# Altium PCB Archimbu.PcbDoc (part 4 of 5) (continued)
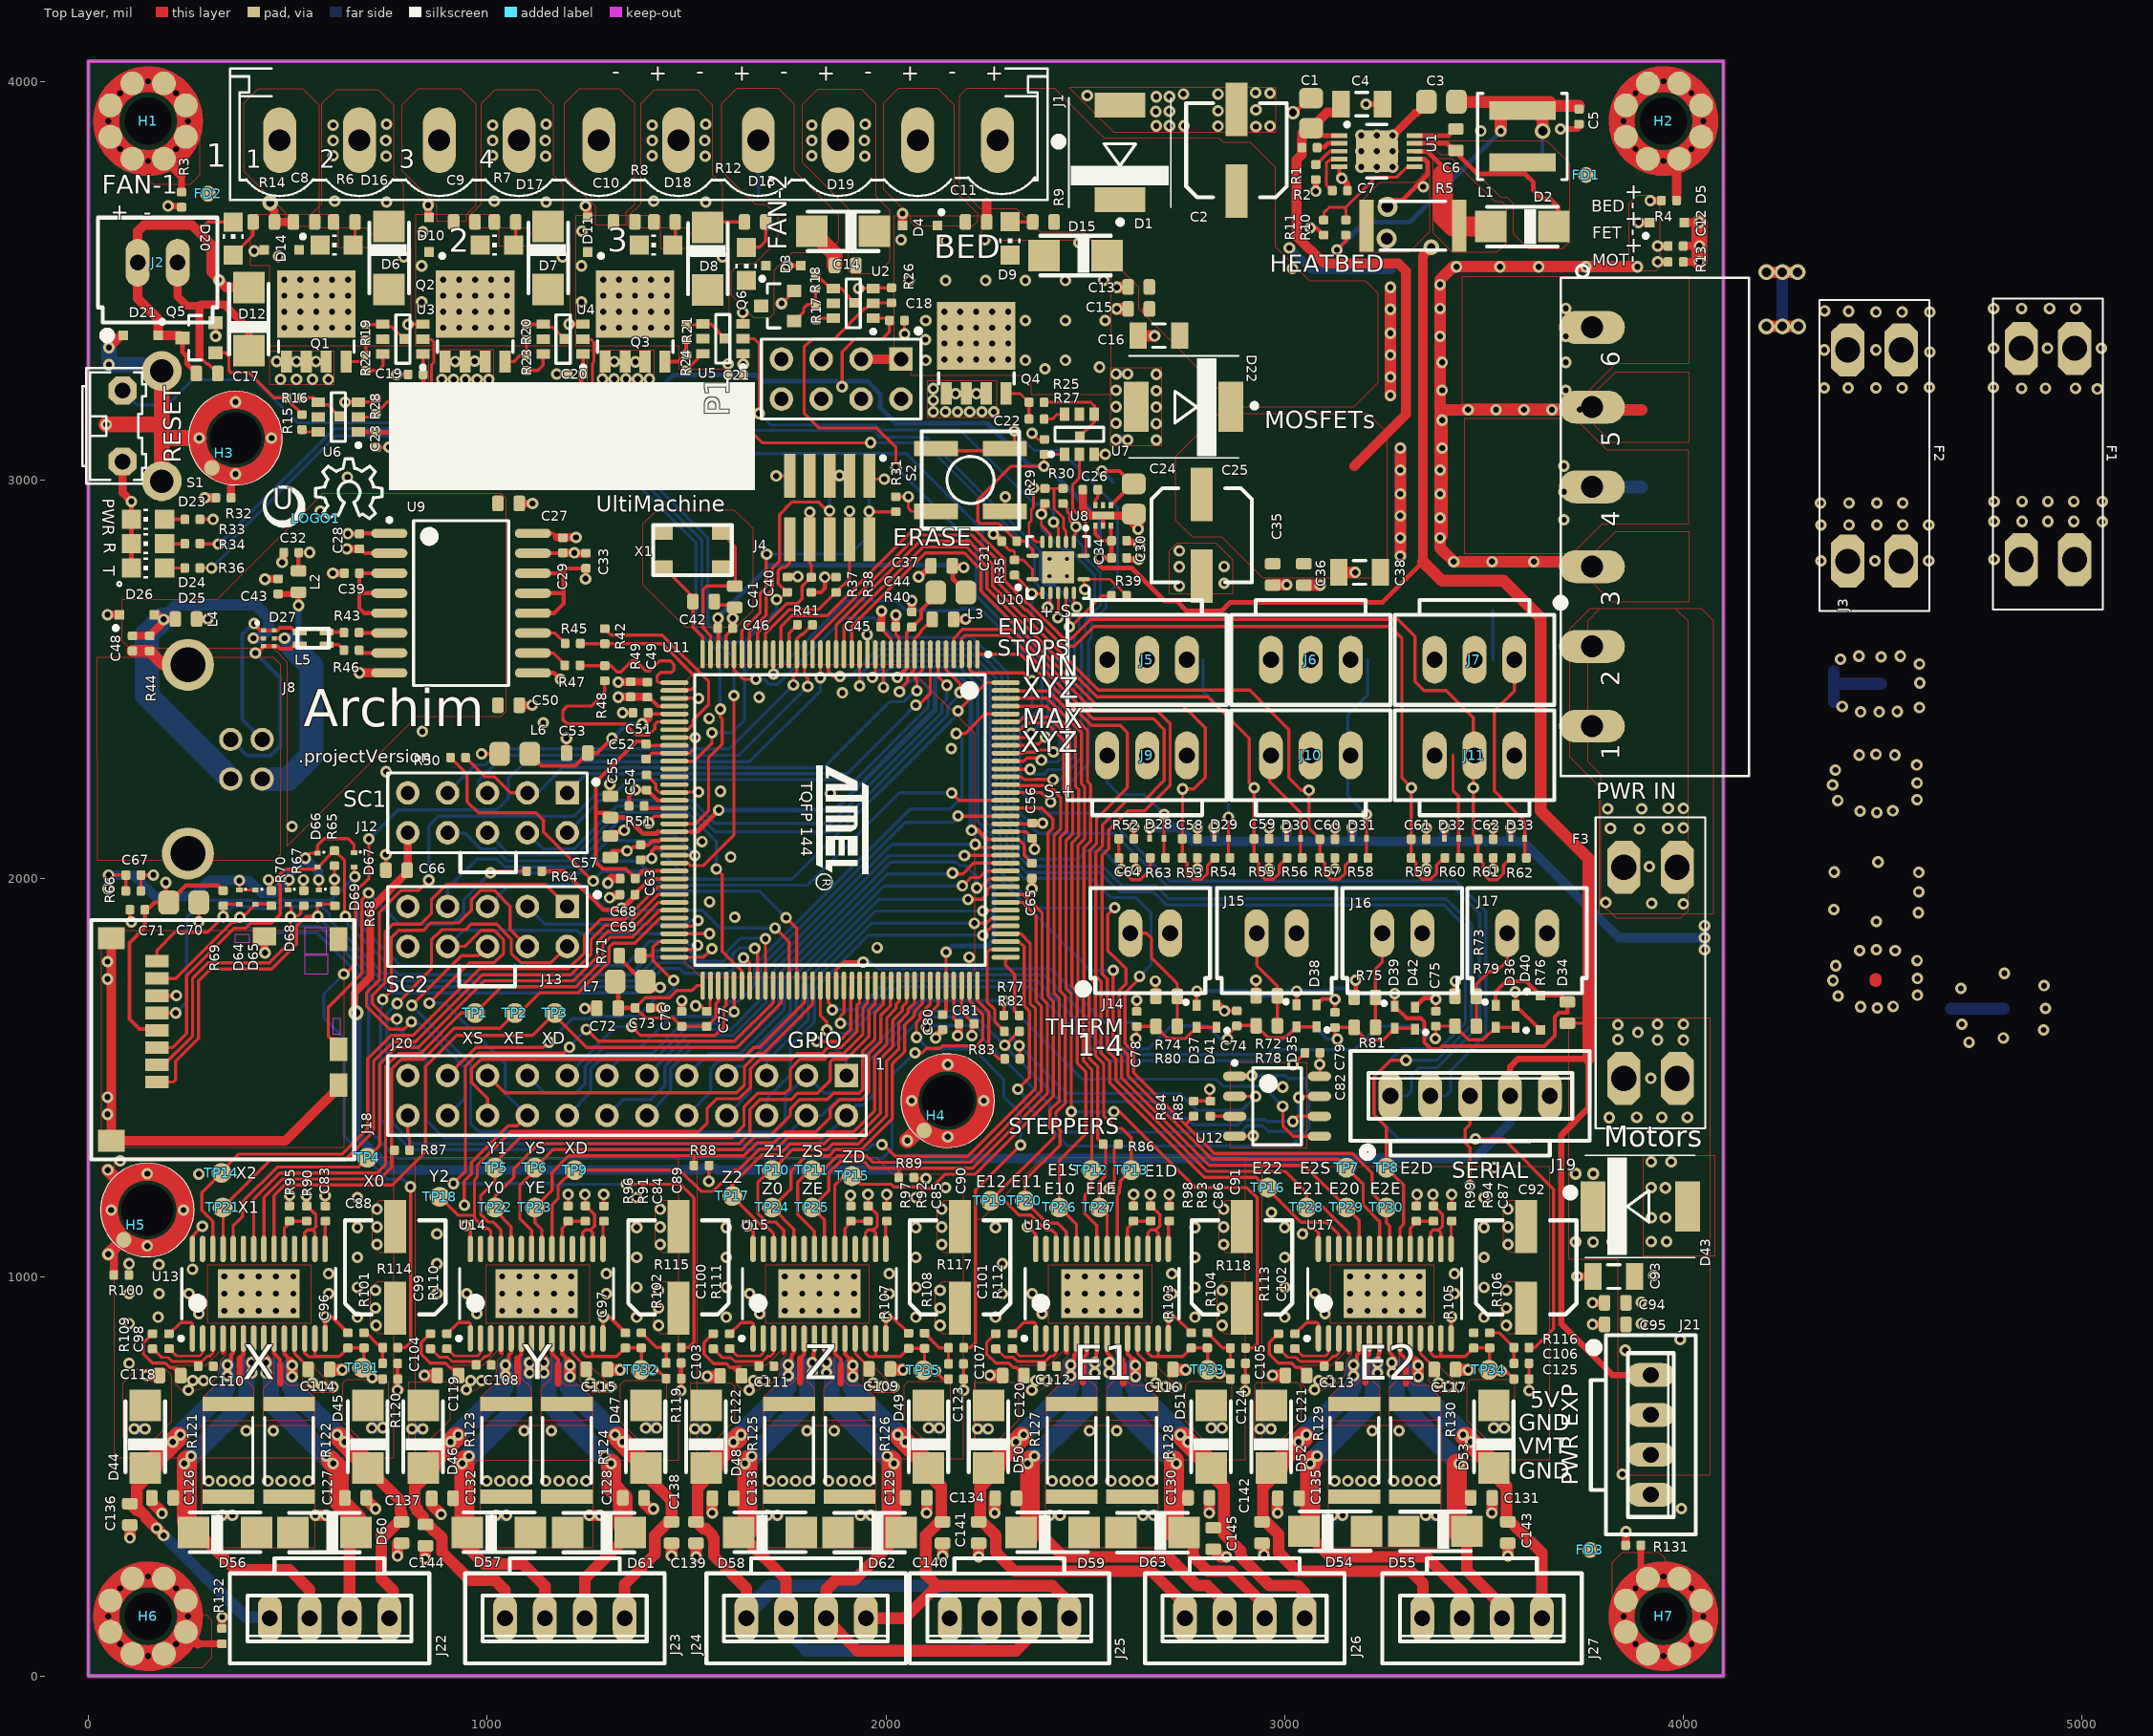
[diagram p0: Top Layer view]
## Nets (pads, with @x,y where several pads share a name; then routed paths per layer and width w, separated by ;. In a path a pad name is that pad's centre, name@x,y a point inside that pad or via, vN(x,y) a via of type N, cw(c..) or ccw(c..) an arc to the next point about the centre after c; other vN are vias at no path point) (continued)
NetR15_1: R15.1 U6.6 | length 43.4
  Top Layer w8: R15.1@536,3126.1 541.63,3120.47 U6.6@577.08,3120.47
NetR16_1: pad.0@629.87,3159.08 R16.1 U6.4 | length 115.2
  Top Layer w8: R16.1@534.9,3206 566.35,3206 U6.4@577.08,3195.28 584.35,3188 602.01,3188 614.68,3175.33 614.68,3173.61 pad.0@629.87,3159.08
NetR17_1: R17.1 U2.6 | length 44.7
  Top Layer w8: R17.1@1825,3401.1 1829.5,3405.6 U2.6@1867.8,3405.6
NetR18_1: pad.0@1920,3444 R18.1 U2.4 | length 127.9
  Top Layer w8: R18.1@1824,3516.9 1860.5,3480.4 U2.4@1867.8,3480.4 1887.54,3480.4 1907.48,3460.46 1907.48,3458.73 pad.0@1920,3444
NetR19_1: pad.0@792.87,3353.76 R19.1 U3.4 | length 113.3
  Top Layer w8: R19.1@695.47,3389.96 U3.4@737.99,3389.96 ; U3.4@738.78,3390.75 U3.4@737.99,3389.96 ; pad.0@792.87,3353.76 777.67,3368.29 761.96,3384 743.95,3384 U3.4@737.99,3389.96
NetR20_1: pad.0@1194.44,3353.76 R20.1 U4.4 | length 111.3
  Top Layer w8: U4.4@1139.57,3389.96 1146.53,3383 1164.54,3383 1179.25,3368.29 pad.0@1194.44,3353.76
  Top Layer w10: R20.1@1099.02,3389.96 1139.57,3389.96 U4.4@1140.35,3390.75
NetR21_1: pad.0@1595.87,3355.2 R21.1 U5.4 | length 114.1
  Top Layer w8: R21.1@1499,3389.9 1499.9,3389 U5.4@1538.6,3389 ; U5.4@1541,3391.4 1560.73,3391.4 1580.68,3371.46 1580.68,3369.73 pad.0@1595.87,3355.2
  Top Layer w10: U5.4@1538.6,3389 U5.4@1541,3391.4
NetR22_1: R22.1 U3.6 | length 76.8
  Top Layer w8: R22.1@696.46,3274.41 726.77,3274.41 738.78,3286.42 U3.6@738.78,3315.94
NetR23_1: R23.1 U4.6 | length 75.3
  Top Layer w8: R23.1@1099.02,3274.41 1127.36,3274.41 1140.35,3287.4 U4.6@1140.35,3315.94
NetR24_1: R24.1 U5.6 | length 57.8
  Top Layer w8: R24.1@1500,3276.1 1540.5,3316.6 U5.6@1541,3316.6
NetR25_1: pad.0@2486.44,3109.5 R25.1 U7.4 | length 221.5
  Top Layer w7: R25.1@2396.85,3194.56 2513.85,3194.56 2522.64,3185.77
  Top Layer w8: pad.0@2486.44,3109.5 2500.97,3124.69 2502.69,3124.69 2522.64,3144.64 U7.4@2522.64,3164.37 2522.64,3185.77
NetR27_1: R27.1 U7.6 | length 55.9
  Top Layer w7: R27.1@2396.85,3152.56 2417.32,3152.56 2429.13,3164.37 U7.6@2447.84,3164.37
NetR42_1: R42.1 U11.43 | length 491.4
  Top Layer w8: R42.1@1295,2626.9 1310.9,2611 1438.53,2611 1555.5,2494.03 1555.5,2437.5 1516.08,2398.08 1516.08,2386.16 1503.4,2373.48 U11.43@1469.65,2373.48
NetR48_1: R48.1 U11.42 | length 492.5
  Top Layer w8: R48.1@1295,2496.1 1295,2465 1263,2433 1201,2433 1190,2422 1190,2399 1201,2388 1346,2388 1373.5,2360.5 1405.56,2360.5 1420.5,2375.44 1420.5,2386.5 1427.17,2393.17 U11.42@1469.65,2393.17
NetR51_1: R51.1 U11.53 | length 75.7
  Top Layer w10: R51.1@1393.9,2176.63 U11.53@1469.65,2176.63
NetR77_2: R77.2 U11.109 | length 144
  Top Layer w8: U11.109@2300.35,1802.61 2300.35,1782.65 2323,1760 2323,1668
NetR82_2: R82.2 U11.110 | length 265.3
  Top Layer w8: R82.2@2297,1617 2273,1641 2273,1672.06 2253.92,1691.14 2253.92,1814.92 2261.3,1822.3 U11.110@2300.35,1822.3
NetR83_2: R83.2 U11.108 | length 220.5
  Top Layer w8: U11.108@2229.49,1731.75 2229.49,1694.36 2258,1665.84 2258,1573.64 2283.64,1548 R83.2@2298,1548
NetR121_2: R121.2 U13.6 | length 114.8
  Top Layer w10: 379.14,797 389.06,806.92 U13.6@389.06,846.8
  Top Layer w16: 379.14,736.05 379.14,797
NetR122_2: R122.2 U13.9 | length 120.1
  Top Layer w10: U13.9@465.83,846.8 465.83,809.21 481.07,793.98 481.07,781
  Top Layer w16: 481.07,733.05 481.07,781
NetR123_2: R123.2 U14.6 | length 114.8
  Top Layer w10: 1076,797 1085.92,806.92 U14.6@1085.92,846.8
  Top Layer w16: 1076,736.05 1076,797
NetR124_2: R124.2 U14.9 | length 120.1
  Top Layer w10: U14.9@1162.69,846.8 1162.69,809.21 1177.92,793.98 1177.92,781
  Top Layer w16: 1177.92,733.05 1177.92,781
NetR125_2: R125.2 U15.6 | length 114.8
  Top Layer w10: 1785.12,797 1795.03,806.92 U15.6@1795.03,846.8
  Top Layer w16: 1785.12,736.05 1785.12,797
NetR126_2: R126.2 U15.9 | length 120.1
  Top Layer w10: U15.9@1871.81,846.8 1871.81,809.21 1887.04,793.98 1887.04,781
  Top Layer w16: 1887.04,733.05 1887.04,781
NetR127_2: R127.2 U16.6 | length 114.8
  Top Layer w10: 2493.72,797 2503.63,806.92 U16.6@2503.63,846.8
  Top Layer w16: 2493.72,736.05 2493.72,797
NetR128_2: R128.2 U16.9 | length 120.1
  Top Layer w10: U16.9@2580.4,846.8 2580.4,809.21 2595.64,793.98 2595.64,781
  Top Layer w16: 2595.64,733.05 2595.64,781
NetR129_2: R129.2 U17.6 | length 114.8
  Top Layer w10: 3202.58,797 3212.49,806.92 U17.6@3212.49,846.8
  Top Layer w16: 3202.58,736.05 3202.58,797
NetR130_2: R130.2 U17.9 | length 120.1
  Top Layer w10: U17.9@3289.26,846.8 3289.26,809.21 3304.5,793.98 3304.5,781
  Top Layer w16: 3304.5,733.05 3304.5,781
NetU3_2: U3.2 U10.3 | length 2020.8
  Top Layer w7: U3.2@839.17,3357.28 844.09,3352.36 859.84,3352.36 866.41,3345.8 866.41,3294.41 860.97,3288.97 860.97,3242.28 911.25,3192 1591,3192 1689.5,3093.5 v1(1961.61,3093.5) ; v1(2405.63,2680.25) 2403.67,2680.25 2412.4,2688.98 U10.3@2412.4,2716.54
  Bottom Layer w7: v1(1961.61,3093.5) v1@1966.67,3093.5 ; v1@1963.1,3093 2095.86,3093 2373.03,2815.83 2373.03,2743.93 2405.63,2711.34 v1(2405.63,2680.25)
NetU4_2: U4.2 U10.6 | length 1663
  Top Layer w7: U4.2@1240.75,3353.35 1241.73,3352.36 1260.43,3352.36 1267.98,3344.81 1267.98,3295.93 1263.98,3291.93 1263.98,3240.87 1285.85,3219 v1(1471,3219) ; U10.6@2471.46,2716.54 2471.46,2687.99 v1(2478.35,2681.1)
  Bottom Layer w7: v1(1471,3219) 1565.98,3124.02 1968.5,3124.02 1985.52,3107 2101.66,3107 2387.43,2821.23 2387.43,2749.33 2400.91,2735.86 2423.59,2735.86 v1(2478.35,2681.1)
NetU5_2: U5.2 U10.11 | length 1144.4
  Top Layer w7: U5.2@1641.39,3354 1670,3354 1682,3342 v2(1682,3167) ; v1(2420.39,2893.84) 2420.28,2893.96 2418.31,2893.96 2423.23,2889.04 2432.09,2880.18 U10.11@2432.09,2844.49
  Bottom Layer w7: v2(1682,3167) 1710.98,3138.02 1974.3,3138.02 1987.32,3125 2187.01,3125 2372.5,2939.51 2400.24,2939.51 2420.39,2919.35 v1(2420.39,2893.84)
NetU7_2: U7.2 U10.8 | length 276.4
  Top Layer w7: U7.2@2485.24,3063.98 2485.24,3004.85 2468.9,2988.51 2468.9,2925.71 2501.38,2893.23 2501.38,2815.35 U10.8@2496.06,2810.04
NRST: J13.8 J19.3 J20.18 U11.69 | length 2152.1
  Top Layer w8: v1(855,1688) 956,1789 1015.53,1789 1016,1789.47 1017.79,1789.47 1041.53,1813.21 1041.53,1846.79 1017.79,1870.53 984.21,1870.53 943.69,1830 J13.8@901,1830 ; v1(942.96,1181.16) 942.96,1241.64 960.47,1259.16 960.47,1287.6 1053.35,1380.47 1075.47,1380.47 J20.18@1101,1406 ; U11.69@1469.65,1861.67 1556.33,1861.67 1557,1861 v1(1558,1862) ; v1(3464.57,1230.32) 3464.57,1325.16 3452.85,1336.88 3452.85,1372.14 3465,1384.29 J19.3@3465,1455
  Bottom Layer w8: v1(855,1688) 894,1688 1046,1536 1046,1461 J20.18@1101,1406 J20.18@1103,1406 ; J13.8@901,1830 941.53,1870.53 1224.94,1870.53 1233.47,1862 v1(1558,1862)
PA0_CANTX0: J12.5 U11.23 | length 1048.4
  Top Layer w8: U11.23@1796.42,2562.46 1796.42,2509.58 1804,2502 v1(1804,2482)
  Bottom Layer w8: J12.5@1001,2215 978,2238 978,2245.9 1002.6,2270.5 1003.6,2270.5 1028.5,2295.4 1028.5,2296.4 1041.6,2309.5 1631.5,2309.5 v1(1804,2482)
PA1_CANRX0: J12.7 R41.1 U11.24 | length 1152.8
  Top Layer w8: v1(1768,2486) 1768,2509 1776.73,2517.73 U11.24@1776.73,2562.46 1776.73,2601.38 1787.36,2612 1790.9,2612 R41.1@1815.9,2637
  Bottom Layer w8: J12.7@901,2215 971.5,2285.5 994.98,2285.5 995.98,2286.5 996.98,2286.5 1012.5,2302.02 1012.5,2303.02 1034.98,2325.5 1607.5,2325.5 v1(1768,2486)
PA2_TIOA1: R50.1 U11.85 | length 1267.9
  Top Layer w8: R50.1@908.1,2304 950,2262.1 950,2193 978,2165 1122,2165 1141.53,2145.47 1141.53,2117.16 1264.69,1994 v1(1266,1994) ; v1(1750,1902) 1776.73,1875.27 U11.85@1776.73,1731.75
  Bottom Layer w8: v1(1266,1994) 1266,1996 1288,2018 1383.79,2018 1433.29,1968.5 1683.5,1968.5 v1(1750,1902)
PA3_TIOB1: J13.5 U11.84 | length 964.7
  Top Layer w8: v1(1722,1876) 1757.05,1840.95 U11.84@1757.05,1731.75
  Bottom Layer w8: J13.5@1001,1930 1056.53,1985.53 1234.41,1985.53 1319.44,1900.5 1347.56,1900.5 ; 1347.59,1900.53 1362.53,1900.53 1382.5,1920.5 1539.56,1920.5 1584.06,1876 v1(1722,1876)
PA5_PWM: R41.2 U11.25 | length 83.2
  Top Layer w8: U11.25@1757.05,2562.46 1757.05,2616.05 R41.2@1778,2637
PA8_URXD: J19.2 U11.27 | length 3038.5
  Top Layer w8: U11.27@1717.68,2562.46 1717.68,2512.32 1718,2512 v1(1718,2513)
  Bottom Layer w8: v1(1718,2513) 1901.5,2696.5 2025.56,2696.5 2044.06,2678 2046,2678 2052.5,2671.5 2184.44,2671.5 2189.44,2676.5 2237.5,2676.5 2391.5,2522.5 2391.5,2432.5 2336.5,2377.5 2336.5,2220.5 2392.5,2164.5 2542.78,2164.5 2713.28,1994 3428.43,1994 3504,1918.43 3504,1607.35 3416.34,1519.68 3416.34,1467.52 3403.82,1455 J19.2@3365,1455
PA9_UTXD: J19.1 U11.2 | length 2423.5
  Top Layer w8: U11.2@2209.8,2562.46 2209.8,2523.54 2217.32,2516.02 2345.98,2516.02 v1(2366,2496)
  Bottom Layer w8: v1(2366,2496) 2366,2428.21 2321.5,2383.71 2321.5,2179.5 2367.5,2133.5 2367.5,2128.44 2382.44,2113.5 2572.56,2113.5 2707.06,1979 3422.21,1979 3489,1912.21 3489,1631.51 3383.49,1526 3338.01,1526 3317.91,1505.91 3317.91,1466.54 3306.38,1455 J19.1@3265,1455
PA12_RXD1: J12.4 U11.5 | length 1443.1
  Top Layer w8: U11.5@2150.75,2562.46 2150.75,2524.25 2186,2489 v1(2186,2467)
  Bottom Layer w8: J12.4@1101,2115 1141.53,2074.47 1217.79,2074.47 1241.53,2098.21 1241.53,2098.53 1324.5,2181.5 1508.22,2181.5 1572.22,2117.5 1862.86,2117.5 2155.5,2410.14 2155.5,2431.56 2186,2462.06 v1(2186,2467)
PA13_TXD1: J12.2 U11.6 | length 1272.3
  Top Layer w8: U11.6@2131.06,2562.46 2131.06,2506.94 v1(2153,2485)
  Bottom Layer w8: J12.2@1201,2115 1282.5,2196.5 1514.44,2196.5 1571.94,2139 1863.15,2139 2140.5,2416.35 2140.5,2437.78 2153,2450.28 v1(2153,2485)
PA14_RTS1: J12.1 U11.7 | length 1121.7
  Top Layer w8: v1(2075,2435) 2075,2428 2111.38,2464.38 U11.7@2111.38,2562.46
  Bottom Layer w8: J12.1@1201,2215 1249.5,2263.5 1903.5,2263.5 v1(2075,2435)
PA15_CTS1: J12.3 R50.2 U11.8 | length 1377.9
  Top Layer w8: R50.2@946,2304 994.47,2255.53 1017.79,2255.53 1058.31,2215 J12.3@1101,2215 ; v1(2078,2471) 2078,2497.13 2072,2503.13 2091.69,2522.82 U11.8@2091.69,2562.46
  Bottom Layer w8: J12.3@1101,2213.79 1125.79,2213.79 1160.47,2248.47 1160.47,2249.08 1189.89,2278.5 1844.5,2278.5 2009.5,2443.5 2044.56,2443.5 2072.06,2471 v1(2078,2471)
PA16_SCK1: J12.6 U11.78 | length 1059.2
  Top Layer w8: v1(1575,2024) 1589.5,2009.5 1589.5,1817.5 1638.94,1768.06 U11.78@1638.94,1731.75
  Bottom Layer w8: J12.6@1001,2115 1056.53,2059.47 1224,2059.47 1256.53,2092 1256.53,2092.31 1329.71,2165.5 1503.01,2165.5 1575,2093.51 v1(1575,2024)
PA17_SDA: J20.22 R40.2 U11.9 | length 2748.5
  Top Layer w8: v1(810.04,1640.75) 791.43,1622.14 755.59,1622.14 697.69,1680.04 697.69,1713.98 730,1746.29 730,1916.31 784.21,1970.53 828.53,1970.53 v1(854,1996) ; v1(2034,2469) 2034,2473.94 2054.5,2494.44 2054.5,2506.84 2072.01,2524.35 U11.9@2072.01,2562.46 2072.01,2602.33 2088,2618.32 2088,2621.77 R40.2@2116.23,2650
  Bottom Layer w8: v1(810.04,1640.75) 804.13,1634.84 834.65,1634.84 943.66,1525.83 943.66,1448.66 J20.22@901,1406 ; v1(854,1996) 854,2133 878,2157 1218,2157 1272.5,2211.5 1318.56,2211.5 1333.5,2226.44 1333.5,2226.5 1355.5,2248.5 1924.56,2248.5 2106.5,2430.44 2106.5,2478.56 2088.56,2496.5 2061.5,2496.5 v1(2034,2469)
PA18_SCL: J20.21 R71.2 U11.70 | length 880.1
  Top Layer w8: J20.21@901,1506 972,1577 1142,1577 v1(1155,1590) ; R71.2@1378.77,1807 1416,1807 ; v1(1468,1745) 1466,1745 1416,1795 1416,1807 ; U11.70@1469.65,1841.98 1429.98,1841.98 1416,1828 1416,1807
  Bottom Layer w8: v1(1155,1590) 1213.5,1648.5 1255.56,1648.5 1261.56,1654.5 1377.5,1654.5 1424.5,1701.5 1444.56,1701.5 1468,1724.94 v1(1468,1745)
PA25_MISO: J13.1 J20.4 R83.1 TP76.1 U12.2 | length 3618.9
  Top Layer w8: v1(773.62,1647.64) 751.3,1647.64 712.69,1686.25 712.69,1707.77 745,1740.08 745,1867 763.53,1885.53 834,1885.53 860.47,1912 860.47,1946.79 899.69,1986 1145,1986 J13.1@1201,1930 ; v1(2334,1581) 2335,1581 2335.9,1581.9 R83.1@2335.9,1544 ; U12.2@2874.7,1454 2926.91,1454 v1(2927.17,1453.74)
  Bottom Layer w8: v1(773.62,1647.64) 773.62,1626.97 846.46,1554.13 846.46,1394.69 891.14,1350 ; 919.29,1350 891.14,1350 ; v1(2927.17,1453.74) 2892.43,1419 TP76.1@2825,1419 2781,1419 2739,1461 2454,1461 2323.5,1591.5 2323.5,1592.56 2247.56,1668.5 2081.71,1668.5 1957,1543.79 1957,1466.18 1937.35,1446.53 1879.53,1446.53 1839,1406 J20.4@1801,1406 1745,1350 891.14,1350
PA26_MOSI: J13.6 J20.3 R77.1 TP75.1 U12.5 | length 3242.9
  Top Layer w8: v1(811.02,1682.09) 912.4,1783.46 ; J13.6@1001,1830 1000.15,1830 977.15,1807 937,1807 ; v1(2296,1694) 2296,1691 2296.1,1690.9 R77.1@2296.1,1657 ; v1(2995.08,1429.13) 2995.5,1428.71 2995.5,1380.44 3021.94,1354 U12.5@3087.3,1354 ; 912.4,1783.46 935.94,1807 937,1807 ; 912.4,1783.46 913.46,1783.46 937,1807
  Bottom Layer w8: v1(811.02,1682.09) 958.66,1534.45 958.66,1385.16 978.35,1365.47 1103.53,1365.47 1104,1365 1724,1365 1748,1389 1748,1453 J20.3@1801,1506 1845.47,1461.53 1931.14,1461.53 1942,1472.39 1942,1550 2086,1694 v1(2296,1694) 2493,1497 TP75.1@2725,1497 2828,1497 2845.76,1479.24 2944.97,1479.24 v1(2995.08,1429.13)
PA27_SCLK: J13.2 J20.2 R82.1 TP77.1 U12.6 | length 3643.2
  Top Layer w8: v1(774.61,1687.01) 860.47,1772.87 860.47,1846.79 885.69,1872 946,1872 959.53,1885.53 1024,1885.53 1060.47,1849.06 1060.47,1813.21 1084.21,1789.47 1099.53,1789.47 1100,1789 1160,1789 J13.2@1201,1830 ; v1(2298,1582) 2299.9,1582 2308.5,1590.6 2308.5,1591.56 2333.94,1617 R82.1@2334.9,1617 ; v1(3021,1391) 3021,1393 3032,1404 U12.6@3087.3,1404
  Bottom Layer w8: v1(774.61,1687.01) 748.12,1660.52 748.12,1401.56 814.69,1335 1830,1335 J20.2@1901,1406 1926.53,1431.53 1943.57,1431.53 1972,1459.96 1972,1534.06 2091.44,1653.5 2225.78,1653.5 2308.5,1570.78 2308.5,1570.44 2323.44,1555.5 2323.78,1555.5 2438.33,1440.94 2684.06,1440.94 TP77.1@2725,1400 2754,1400 2771,1383 2883,1383 2895.5,1395.5 2950.44,1395.5 2954.94,1391 v1@3018,1391
PA29_CS: J13.4 U11.112 | length 3169
  Top Layer w8: v1@738.19,1697.81 760,1719.62 760,1852 778.53,1870.53 840.21,1870.53 858.69,1889 929,1889 929,1889.53 960.47,1921 960.47,1946.79 984.21,1970.53 1017.79,1970.53 1058,1930.31 1058,1873 J13.4@1101,1830 ; v1(1990,1333) 1992,1335 2023.5,1303.5 2077.41,1303.5 2077.51,1303.59 2123.49,1303.59 2123.58,1303.5 2204.86,1303.5 2375,1473.64 2375,1673.65 2361.79,1686.87 2361.79,1838.21 2338.33,1861.67 U11.112@2300.35,1861.67
  Bottom Layer w8: v1(738.19,1696.85) 738.19,1679.28 733.12,1674.21 733.12,1395.35 808.47,1320 1954.06,1320 1968,1333.94 1968.94,1333 v1(1990,1333)
PB0_ETXCK: J20.6 U11.113 | length 911.7
  Top Layer w8: v1(2243,1858) 2243.25,1858 2266.6,1881.35 U11.113@2300.35,1881.35 U11.113@2300.5,1881.5
  Bottom Layer w8: J20.6@1701,1406 1701,1448.69 1760.47,1508.16 1760.47,1580.36 1820.5,1640.39 1820.5,1722.31 1956.19,1858 v1(2243,1858)
PB1_ETXEN: J20.5 U11.114 | length 833.7
  Top Layer w8: v1(2222,1888) 2252.04,1888 2265.08,1901.04 U11.114@2300.35,1901.04 U11.114@2301.42,1902.1
  Bottom Layer w8: J20.5@1701.06,1506 J20.5@1701,1506 1701,1542.1 1805.5,1646.6 1805.5,1728.52 1964.98,1888 v1(2222,1888)
PB2_ETX0: J20.8 U11.115 | length 998.1
  Top Layer w8: v1(2243,1919) 2241,1919 2242.72,1920.72 U11.115@2300.35,1920.72
  Bottom Layer w8: J20.8@1601,1406 1660.47,1465.47 1660.47,1522.79 1790.5,1652.81 1790.5,1734.73 1974.77,1919 v1(2243,1919)
PB3_ETX1: J20.7 U11.118 | length 956.2
  Top Layer w8: v1(2206,1948) 2241.92,1948 2253.92,1960 2253.92,1972.27 2261.43,1979.78 U11.118@2300.35,1979.78
  Bottom Layer w8: J20.7@1601,1511.43 J20.7@1601,1506 1624,1529 1645.47,1529 1775.5,1659.03 1775.5,1740.95 1982.55,1948 v1(2206,1948)
PB4_ECRSDV: J20.12 U11.119 | length 1301.3
  Top Layer w8: v1(2228,1977) 2237,1977 2259.46,1999.46 U11.119@2300.35,1999.46
  Bottom Layer w8: J20.12@1401,1406 1460.47,1465.47 1460.47,1522.79 1514.21,1576.53 1629.36,1576.53 1730.5,1677.67 1730.5,1759.58 2012.92,2042 2176.94,2042 2186.44,2032.5 2199.5,2032.5 2228,2004 v1(2228,1977) v1@2224.5,1973.5
PB5_ERX0: J20.10 U11.120 | length 1134.9
  Top Layer w8: v1(2192,1982) 2212.5,2002.5 2234.5,2002.5 2251.15,2019.15 U11.120@2300.35,2019.15
  Bottom Layer w8: J20.10@1501,1406 1560.47,1465.47 1560.47,1522.79 1584.21,1546.53 1641.79,1546.53 1760.5,1665.24 1760.5,1747.16 1995.34,1982 v1(2192,1982)
PB6_ERX1: J20.9 U11.121 | length 1072
  Top Layer w8: v1(2167,2014) 2167,2012 2193.5,2012 2220.33,2038.83 U11.121@2300.35,2038.83
  Bottom Layer w8: J20.9@1501,1506 1556.53,1561.53 1635.57,1561.53 1745.5,1671.45 1745.5,1753.37 2004.13,2012 2167,2012 v1(2167,2014)
PB7_ERXER: J20.14 U11.122 | length 1346
  Top Layer w8: v1(2197,2058) 2197.52,2058.52 U11.122@2300.35,2058.52
  Bottom Layer w8: J20.14@1301,1406 1341.53,1446.53 1411.53,1446.53 1445.47,1480.47 1445.47,1529 1508,1591.53 1623.15,1591.53 1715.5,1683.88 1715.5,1765.8 2007.7,2058 v1(2197,2058)
PB8_EMDC: J20.11 U11.123 | length 1195
  Top Layer w8: v1@2224,2088.5 2234.3,2078.2 U11.123@2300.35,2078.2 U11.123@2302.56,2076
  Bottom Layer w8: J20.11@1401,1506 1501.53,1606.53 1616.93,1606.53 1700.5,1690.09 1700.5,1772.01 2014.49,2086 v1(2224,2086)
PB9_EMDIO: J20.13 U11.127 | length 1335.3
  Top Layer w8: v1@2178,2163 2181,2160 v1(2181,2157) 2232,2157 2232.06,2156.94 U11.127@2300.35,2156.94
  Bottom Layer w8: J20.13@1301,1506 1303,1504 1303,1517 1332.53,1546.53 1420.31,1546.53 1495.31,1621.53 1610.72,1621.53 1685.5,1696.31 1685.5,1778.22 2048.28,2141 2168,2141 2181,2154 v1(2181,2157)
PB12_AD8: J20.20 U11.86 | length 1080.4
  Top Layer w8: J20.20@1001,1406 1001,1448.69 960.47,1489.21 960.47,1522.79 984.21,1546.53 1041.43,1546.53 1041.9,1547 1638.64,1547 1668.17,1576.53 1682.74,1576.53 1796.42,1690.2 U11.86@1796.42,1731.75
PB13_AD9: J20.19 U11.87 | length 998.7
  Top Layer w8: J20.19@1001,1506 1044,1463 1625.79,1463 1645.47,1482.69 1645.47,1529 1678,1561.53 1692.53,1561.53 1816.1,1685.1 U11.87@1816.1,1731.75
PB14_PWMH2: J20.17 U11.140 | length 1782
  Top Layer w8: v1(2176.43,2364) 2199,2364 2247.85,2412.85 U11.140@2300.35,2412.85
  Bottom Layer w8: J20.17@1101,1506 1146,1461 1221,1461 1245.47,1485.47 1245.47,1529 1293,1576.53 1384.59,1576.53 1462.72,1654.66 1571.6,1654.66 1608.69,1691.75 1629.81,1691.75 1670.5,1732.44 1670.5,1784.44 2061.06,2175 2161.06,2175 2191,2204.94 2191,2349.43 v1(2176.43,2364)
PB15_DAC0: J20.15 U11.76 | length 567.2
  Top Layer w8: v1(1363,1629) 1385,1607 1572,1607 1593.75,1628.75 1593.75,1676.81 1599.57,1682.63 U11.76@1599.57,1731.75
  Bottom Layer w8: J20.15@1201,1506 1324,1629 v1(1363,1629)
PB16_DAC1: J20.16 U11.77 | length 625.1
  Top Layer w8: v1(1619.25,1666.25) U11.77@1619.25,1731.75
  Bottom Layer w8: J20.16@1201,1406 1260.47,1465.47 1260.47,1522.79 1299.21,1561.53 1414.1,1561.53 1489.1,1636.53 1589.53,1636.53 v1(1619.25,1666.25)
PB21_CS2: J20.1 U11.92 | length 343.9
  Top Layer w8: v1(1826,1591.53) 1881.61,1591.53 1912,1621.92 1912,1729.22 U11.92@1914.53,1731.75
  Bottom Layer w8: v1(1826,1591.53) 1856.47,1591.53 1901,1547 J20.1@1901,1506
PB25_TIOA0: J13.7 U11.144 | length 1759.4
  Top Layer w8: v1(2181,2421) 2251.59,2491.59 U11.144@2300.35,2491.59
  Bottom Layer w8: J13.7@901,1930 901,1975.8 974.41,2049.21 1024.36,2049.21 1044.1,2029.47 1237.62,2029.47 1303.65,2095.5 1408.5,2095.5 1505.5,1998.5 1765.07,1998.5 2181,2414.43 v1(2181,2421)
PB27_TIOB0: J13.3 U11.68 | length 515.4
  Top Layer w8: U11.68@1469.65,1881.35 1515.35,1881.35 v1(1529,1895)
  Bottom Layer w8: J13.3@1101,1930 1145.47,1885.53 1313.2,1885.53 ; 1313.22,1885.5 1353.78,1885.5 ; 1353.8,1885.53 1499.53,1885.53 1509,1895 v1(1529,1895)
PC2_PWML0: J12.8 U11.59 | length 776.9
  Top Layer w8: U11.59@1469.65,2058.52 v1@1518.42,2058.52
  Bottom Layer w8: J12.8@901,2115 943.69,2115 984.21,2074.47 1020.31,2074.47 1050.31,2044.47 1231.41,2044.47 1333.44,2146.5 1358.5,2146.5 1393,2112 1467,2112 v1(1521,2058)
REF1: R114.1 U11.21 | length 2857.1
  Top Layer w8: v1@637.8,1760.83 v1(640.75,1760.83) ; v1@645.67,1760.83 671,1786.16 671,1968.06 703.74,2000.8 v1(703.74,2099.41) ; 786.9,824 795,824 808.56,837.56 808.56,1226.44 v1(808,1227) ; U11.21@1835.79,2562.46 1835.79,2508.21 1836,2508 v1(1836,2504)
  Bottom Layer w8: v1(640.75,1760.83) 590.55,1710.63 590.55,1651.63 642.13,1600.05 642.13,1353.35 749.47,1246 789,1246 v1(808,1227) ; v1@704.07,2099.07 777,2172 1024,2172 1053,2201 1053,2251 1095.5,2293.5 1658.35,2293.5 1836,2471.15 v1(1836,2504)
REF2: R115.1 U11.82 | length 2241.7
  Top Layer w8: v1(915.4,1235.3) 945.47,1265.37 945.47,1529 978.47,1562 1192,1562 v1(1207,1577) ; v1(1249,1622) 1279,1592 1620,1592 1717.68,1689.68 U11.82@1717.68,1731.75 ; v1(1350,1233.5) 1483.91,1233.5 1518.56,1198.85 1518.56,1191.44 1519,1191 1519,837 1506,824 R115.1@1486.9,824
  Bottom Layer w8: v1(915.4,1235.3) 1166.07,1235.3 1180.36,1221 1192.86,1233.5 v1(1350,1233.5) ; v1(1207,1577) 1207,1580 v1(1249,1622)
REF3: R118.1 U11.139 | length 2096.6
  Top Layer w8: U11.139@2300.35,2393.17 2334.1,2393.17 2345.94,2405 2409.57,2405 2460.5,2354.07 2460.5,2225.22 2463.5,2222.22 2463.5,2219.99 2468.5,2214.99 2468.5,2112.86 2451.79,2096.15 2451.79,1724.15 2465,1710.93 v1@2465,1415.35 ; v1(2571.85,1415.35) 2586.65,1415.35 2777,1225 2905.41,1225 2931.56,1198.85 2931.56,833.56 2921,823 R118.1@2901.9,823
  Bottom Layer w8: v1(2464.57,1415.35) v1(2571.85,1415.35)
REF4: R116.1 U11.20 | length 3783.8
  Top Layer w8: U11.20@1855.47,2562.46 1855.47,2520.59 1861.5,2514.56 1861.5,2514.5 1869,2507 v1(1885,2507) ; v1(3478.35,1347.44) 3548.23,1347.44 3674.21,1221.46 3674.21,871.21 3627.26,824.26 3627.26,824 R116.1@3612.9,824
  Bottom Layer w8: v1(1885,2507) 1910.72,2507 1979.22,2575.5 2204.07,2575.5 2275.5,2504.07 2275.5,2161.86 2317.5,2119.86 2317.5,2051.01 2353.01,2015.5 2537.5,2015.5 2585.5,1967.5 2670.29,1967.5 2703.79,1934 3398.79,1934 3453.5,1879.29 3453.5,1638.44 3388.56,1573.5 3381.5,1573.5 3381,1573 3293.21,1573 3224,1503.79 3224,1408.02 3284.58,1347.44 v1(3478.35,1347.44)
REF_Z: R117.1 U11.102 | length 1166.8
  Top Layer w8: v1(2077,1602) 2076.5,1602.5 2076.5,1638.56 2086,1648.06 2086,1659.89 2111.38,1685.27 U11.102@2111.38,1731.75 ; R117.1@2194.9,823.42 2195.48,824 2213,824 2224.56,835.56 2224.56,1218.56 v1(2338,1332)
  Bottom Layer w8: v1(2077,1602) 2106.42,1572.58 2219.42,1572.58 2295,1497 2295,1453 2338,1410 v1(2338,1332)
RESET: C40.1 J4.10 S1.1 TP56.1 U11.47 | length 2768.9
  Top Layer w8: U11.47@1469.65,2294.74 1518.74,2294.74 1564,2340 v1(1564,2366) ; v1@1719.7,2695 1726.7,2695 1750.85,2719.15 1730,2740 1730,2771.98 1739.02,2781 1748,2781 1758.92,2791.92 1758.92,2851 J4.10@1759,2851.08
  Bottom Layer w8: S1.1@86,3224 122,3188 198,3188 261,3251 417.31,3251 524.81,3143.5 1264.93,3143.5 1553.5,2854.93 1553.5,2638.44 1598.94,2593 TP56.1@1646,2593 ; v1(1564,2366) 1614,2366 1646,2398 TP56.1@1646,2593 ; v1(1726,2700) 1726,2673 TP56.1@1646,2593
SDCD: J18.12 R64.1 U11.129 | length 2402.4
  Top Layer w8: J18.12@620.13,1579.73 J18.12@627.48,1572.38 627.48,1598.78 608.16,1598.78 601.72,1605.22 601.72,1677.86 686,1762.14 686,1947 v1(703,1964) ; v1(1008.47,2014.47) 1012.7,2018.7 R64.1@1099.21,2018.7 ; v1(2165,2215) 2183.68,2196.32 U11.129@2300.35,2196.32
  Bottom Layer w8: v1(703,1964) 781,1886 914.31,1886 941.53,1913.21 941.53,1947.53 v1(1008.47,2014.47) 1243.84,2014.47 1273.36,2044 1379,2044 1439.5,1983.5 1802.5,1983.5 2034,2215 v1(2165,2215)
SHDN: U11.50
SNTP: U10.15
  other v5: 2410.43,2758.86 2453.74,2758.86 2410.43,2802.17 2453.74,2802.17
SPIFLASH_CS: TP74.1 U11.111 U12.1 | length 1556.9
  Top Layer w8: U11.111@2300.35,1841.98 2334.1,1841.98 2346.79,1829.3 2346.79,1680.65 2360,1667.44 2360,1501 v1(2331,1472) ; v1@2907.46,1504 v1@2908,1503.46
  Top Layer w16: U12.1@2874.7,1504 2907.46,1504 2916,1504 v1(2918,1506)
  Bottom Layer w8: v1(2331,1472) 2347,1456 2347,1438.72 2456.22,1329.5 3016.78,1329.5 3061.5,1374.22 3061.5,1466.06 3055,1472.56 3055,1499.02 3009.49,1499.02 3002.5,1506 v1(2918,1506)
STEP1: TP1.1 U11.66 U13.22 | length 1646.2
  Top Layer w8: U13.22@414.65,1071.2 414.65,1196.07 480.07,1261.5 724.41,1261.5 745.47,1282.56 745.47,1529 778,1561.53 833.31,1561.53 934.79,1663 TP1.1@970,1663 1036,1729 1222.79,1729 1290.66,1796.88 1290.66,1834.04 1309.62,1853 1364.43,1853 1432.15,1920.72 U11.66@1469.65,1920.72
STEP2: TP6.1 U11.96 U14.22 | length 1424.9
  Top Layer w8: U14.22@1111.51,1071.2 1111.51,1118 1082,1147.51 1082,1230 TP6.1@1123.5,1271.5 ; TP6.1@1120,1275 1165.47,1320.47 1638.83,1320.47 1670.36,1352 1706,1352 1760.47,1406.47 1760.47,1422.79 1784.21,1446.53 1853.53,1446.53 1869,1462 1933.79,1462 1941.53,1469.74 1941.53,1566.59 1972.5,1597.57 1972.5,1663.84 1993.27,1684.61 U11.96@1993.27,1731.75
STEP3: TP12.1 U11.142 U16.22 | length 1565.3
  Top Layer w8: U11.142@2300.35,2452.22 2404.78,2452.22 2490.5,2366.5 2490.5,2237.65 2498.5,2229.65 2498.5,2100.43 2481.79,2083.72 2481.79,1736.57 2495,1723.36 2495,1543.43 2516.35,1522.08 2516.35,1392.37 2516.5,1392.22 2516.5,1262.5 2515,1261 2515,1221.91 2499,1205.91 2499,1160.09 2529.22,1129.86 U16.22@2529.22,1071.2
STEP4: TP7.1 U11.14 U17.22 | length 2543.6
  Top Layer w8: v1(1966,2505) 1969,2505 1973.58,2509.58 U11.14@1973.58,2562.46 ; v1(2574,1927) 2556.79,1909.79 2556.79,1819.21 2580.5,1795.5 2580.56,1795.5 2602,1774.06 2602,1736.21 2585,1719.21 2585,1580.71 2606.5,1559.21 2606.5,1506.64 2817.14,1296 3134,1296 TP7.1@3155,1275 3197,1233 3197,1181 3236.99,1141.01 3238.08,1141.01 U17.22@3238.08,1071.2
  Bottom Layer w8: v1(1966,2505) 1966,2505.28 2006.22,2545.5 2191.65,2545.5 2245.5,2491.65 2245.5,2149.43 2287.5,2107.43 2287.5,2017.44 2378.94,1926 2574,1926 v1(2574,1927)
STEP_Z: TP11.1 U11.116 U15.22 | length 1437.5
  Top Layer w8: TP11.1@1812,1272 1779,1239 1779,1157 1820.62,1115.38 U15.22@1820.62,1071.2 ; TP11.1@1815,1269 1842.88,1269 1878.88,1305 1951.12,1305 1967.62,1288.5 2083.63,1288.5 2083.72,1288.59 2117.27,1288.59 2117.36,1288.5 2211.07,1288.5 2390,1467.43 2390,1679.87 2376.79,1693.08 2376.79,1906.21 2342.59,1940.41 U11.116@2300.35,1940.41
TCK/SWDCLK: J4.4 R38.1 TP52.1 U11.28 | length 550.7
  Top Layer w8: U11.28@1697.99,2562.46 1697.99,2614.72 1758.28,2675 1831.9,2675 R38.1@1875,2718.09 1909,2752.1 J4.4@1909,2851.08
  Top Layer w12: J4.4@1909,2851.08 1908,2852.08 1908,2917 1910,2919 1909,2920 v1(1909,2922)
  Bottom Layer w8: TP52.1@1909,2863 v1(1909,2922)
TDI: J4.8 R37.1 TP53.1 U11.29 | length 485.3
  Top Layer w8: U11.29@1678.31,2562.46 1678.31,2616.31 1731.5,2669.5 1731.56,2669.5 1751.5,2689.44 1751.5,2689.5 1752,2690 1778,2690 1790,2702 1790,2732.9 R37.1@1813,2755.9 1813,2788 1809,2792 J4.8@1809,2851.08
  Top Layer w20: J4.8@1809,2851.08 v1(1809,2919)
  Bottom Layer w8: TP53.1@1809,2863 v1(1809,2919)
TDO/SWO: J4.6 TP50.1 U11.30 | length 644.8
  Top Layer w8: U11.30@1658.62,2562.46 1657.5,2563.58 1657.5,2618.5 1700,2661 1700,2710.06 1715,2725.06 1715,2778.19 1733.24,2796.43 1733.24,2912.74 1765,2944.5 1830.5,2944.5 v1@1859,2916
  Top Layer w12: J4.6@1859,2851.08 1859,2916 v1(1859,2923)
  Bottom Layer w8: v1(1859,2923) TP50.1@1859,2963
THERM_AN1: C78.1 D37.A D41.C R80.2 TP70.1 U11.90 | length 1158.7
  Top Layer w8: U11.90@1875.16,1731.75 1875.16,1770.5 1895.66,1791 v1@1940,1791 ; v1@2627,1603.35 v1(2627,1599) 2629,1601 C78.1@2629,1629.17 2676.96,1629.17 R80.2@2677.23,1629.44 2707.91,1598.75 2750.87,1598.75 D37.A@2779,1626.88 D41.C@2829,1626.88
  Bottom Layer w8: v1(1943,1790.5) 1963.5,1790.5 1980,1774 2414,1774 2549,1639 TP70.1@2627,1639 v1(2627,1599)
THERM_AN2: C74.1 D35.A D38.C R78.2 TP71.1 U11.89 | length 1479.3
  Top Layer w8: U11.89@1855.47,1731.75 1855.47,1689.53 1866,1679 v1(1866,1671) ; v1(2857,1598) 2857,1608.27 2879.73,1631 C74.1@2880,1630.73 ; C74.1@2875,1631.3 2875.7,1632 R78.2@2928.23,1632 ; R78.2@2928.23,1631 2958.91,1600.31 3001.87,1600.31 D35.A@3030,1628.44 D38.C@3080,1628.44
  Bottom Layer w8: v1(1866,1671) 1928.57,1671 2016.57,1759 2397,1759 2582.5,1573.5 2658.5,1573.5 2716,1631 TP71.1@2805,1631 2838,1598 v1(2857,1598)